# Allegro board Learn.brd (continued)
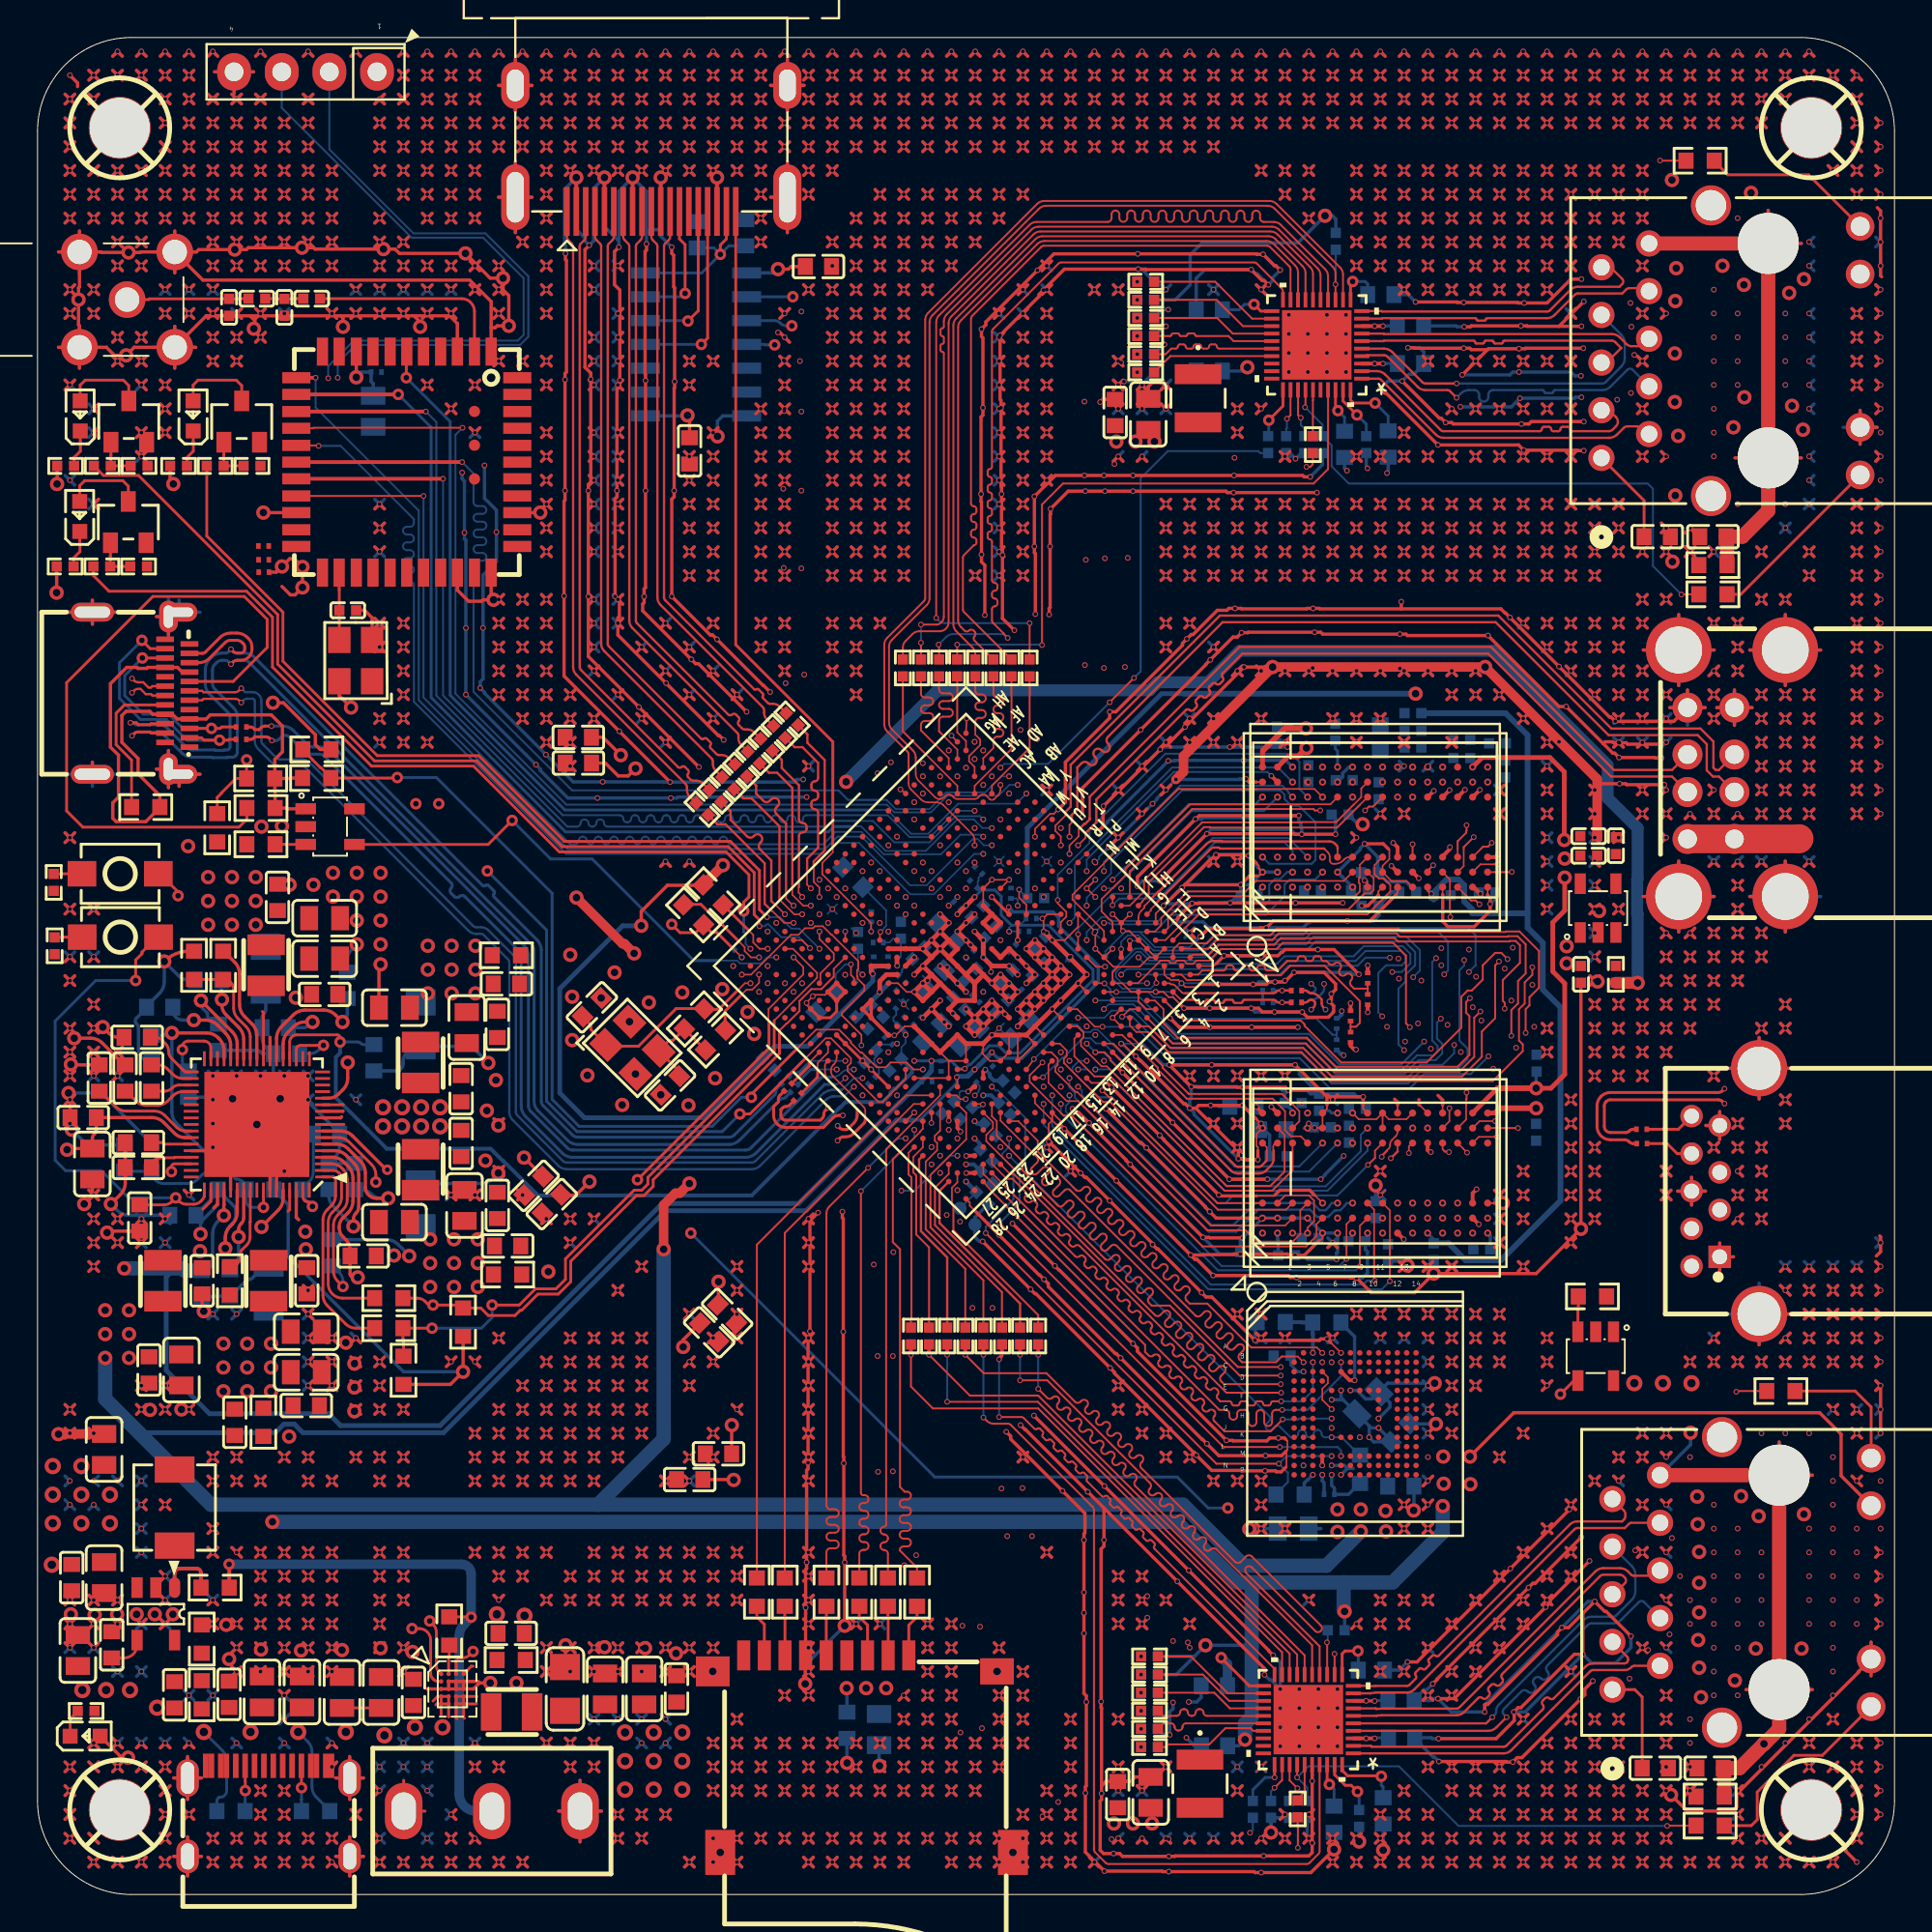
[diagram p0: board, top side]
## Routing (per net, layer and track width the routed paths; a pad name or vN(x,y) marks a point on that pad's centre or on a via; arc(x,y) is an arc through that point) (continued)
85.8,79.45 ; v1(85.54,79.19) 85.8,78.94 ; v1(85.54,79.19) 85.29,79.45 ; v1(85.54,79.19) 85.29,78.94 ; 43.38,87.83 v1(43.63,88.08) ; v1(43.63,88.08) 43.89,87.83 ; v1(43.63,88.08) 43.89,88.34 ; v1(43.63,88.08) 43.38,88.34 ; v1(2.99,46.17) 3.25,45.92 ; v1(2.99,46.17) 2.74,46.43 ; v1(2.99,46.17) 3.25,46.43 ; v1(2.99,46.17) 2.74,45.92 ; 4.01,86.56 v1(4.26,86.81) ; v1(4.26,86.81) 4.52,86.56 ; v1(4.26,86.81) 4.52,87.07 ; v1(4.26,86.81) 4.01,87.07 ; 19.25,16.71 v1(19.5,16.96) ; v1(19.5,16.96) 19.76,16.71 ; v1(19.5,16.96) 19.76,17.22 ; v1(19.5,16.96) 19.25,17.22 ; v1(36.01,28.39) 36.27,28.65 ; v1(36.01,28.39) 35.76,28.14 ; v1(36.01,28.39) 35.76,28.65 ; v1(36.01,28.39) 36.27,28.14 ; v1(25.85,81.73) 26.11,81.99 ; v1(25.85,81.73) 25.6,81.48 ; v1(25.85,81.73) 26.11,81.48 ; v1(25.85,81.73) 25.6,81.99 ; 2.74,33.22 v1(2.99,33.47) ; v1(2.99,33.47) 3.25,33.22 ; v1(2.99,33.47) 2.74,33.73 ; v1(2.99,33.47) 3.25,33.73 ; v1(63.95,77.92) 64.21,78.18 ; v1(63.95,77.92) 63.7,78.18 ; v1(63.95,77.92) 63.7,77.67 ; v1(63.95,77.92) 64.21,77.67 ; v1(8.07,84.27) 8.33,84.02 ; v1(8.07,84.27) 8.33,84.53 ; v1(8.07,84.27) 7.82,84.53 ; v1(8.07,84.27) 7.82,84.02 ; 30.68,12.9 v1(30.93,13.15) ; v1(30.93,13.15) 30.68,13.41 ; v1(30.93,13.15) 31.19,13.41 ; v1(30.93,13.15) 31.19,12.9 ; 63.7,21.79 v1(63.95,22.04) ; v1(63.95,22.04) 64.21,21.79 ; v1(63.95,22.04) 63.7,22.3 ; v1(63.95,22.04) 64.21,22.3 ; v1(62.68,71.57) 62.94,71.83 ; v1(62.68,71.57) 62.94,71.32 ; v1(62.68,71.57) 62.43,71.32 ; v1(62.68,71.57) 62.43,71.83 ; v1(79.19,74.11) 79.45,73.86 ; v1(79.19,74.11) 79.45,74.37 ; v1(79.19,74.11) 78.94,73.86 ; v1(79.19,74.11) 78.94,74.37 ; 51.51,72.59 v1(51.25,72.84) 51.51,73.1 ; 78.94,76.4 v1(79.19,76.65) ; v1(79.19,76.65) 78.94,76.91 ; v1(79.19,76.65) 79.45,76.4 ; v1(79.19,76.65) 79.45,76.91 ; v1(51.25,8.07) 51.51,7.82 ; v1(51.25,8.07) 51.51,8.33 ; v1(51.25,8.07) 51,7.82 ; v1(51.25,8.07) 51,8.33 ; v1(15.69,22.04) 15.95,22.3 ; v1(15.69,22.04) 15.95,21.79 ; v1(15.69,22.04) 15.44,21.79 ; v1(15.69,22.04) 15.44,22.3 ; 83.26,50.24 v1(83,49.98) 83.26,49.73 ; v1(4.26,34.74) 4.52,34.49 ; v1(4.26,34.74) 4.01,34.49 ; v1(4.26,34.74) 4.52,35 ; v1(4.26,34.74) 4.01,35 ; v1(91.89,51.25) 92.15,51 ; v1(91.89,51.25) 91.64,51.51 ; v1(91.89,51.25) 92.15,51.51 ; v1(91.89,51.25) 91.64,51 ; 90.45,62.33 U19.8 ; U19.8 89.51,63.27 ; U19.8 90.45,64.21 ; U19.8 91.39,63.27 ; v1(80.46,27.12) 80.72,27.38 ; v1(80.46,27.12) 80.21,27.38 ; v1(80.46,27.12) 80.21,26.87 ; 26.87,64.97 v1(27.12,65.22) ; v1(27.12,65.22) 27.38,64.97 ; v1(27.12,65.22) 26.87,65.48 ; v1(27.12,65.22) 27.38,65.48 ; v1(60.14,67.76) 60.4,67.51 ; v1(60.14,67.76) 59.89,67.51 ; v1(60.14,67.76) 59.89,68.02 ; v1(60.14,67.76) 60.4,68.02 ; 39.57,3.25 v1(39.82,2.99) ; v1(39.82,2.99) 39.57,2.74 ; v1(39.82,2.99) 40.08,2.74 ; v1(39.82,2.99) 40.08,3.25 ; v1(23.31,95.7) 23.57,95.96 ; v1(23.31,95.7) 23.57,95.45 ; v1(23.31,95.7) 23.06,95.45 ; v1(23.31,95.7) 23.06,95.96 ; v1(4.26,91.89) 4.52,92.15 ; v1(4.26,91.89) 4.01,92.15 ; v1(4.26,91.89) 4.01,91.64 ; v1(4.26,91.89) 4.52,91.64 ; 84.02,94.69 v1(84.27,94.43) ; v1(84.27,94.43) 84.53,94.18 ; v1(84.27,94.43) 84.53,94.69 ; v1(84.27,94.43) 84.02,94.18 ; v1(81.73,18.23) 81.99,17.98 ; v1(81.73,18.23) 81.48,18.49 ; v1(81.73,18.23) 81.99,18.49 ; v1(81.73,18.23) 81.48,17.98 ; v1(42.36,6.8) 42.62,7.06 ; v1(42.36,6.8) 42.11,6.55 ; v1(42.36,6.8) 42.11,7.06 ; v1(42.36,6.8) 42.62,6.55 ; v1(89.35,48.71) 89.61,48.46 ; v1(89.35,48.71) 89.61,48.97 ; v1(89.35,48.71) 89.1,48.97 ; v1(89.35,48.71) 89.1,48.46 ; v1(29.66,94.43) 29.92,94.18 ; v1(29.66,94.43) 29.41,94.18 ; v1(29.66,94.43) 29.41,94.69 ; v1(29.66,94.43) 29.92,94.69 ; 62.43,94.69 v1(62.68,94.43) ; v1(62.68,94.43) 62.43,94.18 ; v1(62.68,94.43) 62.94,94.69 ; v1(62.68,94.43) 62.94,94.18 ; 10.36,84.02 v1(10.61,84.27) ; v1(10.61,84.27) 10.87,84.02 ; v1(10.61,84.27) 10.87,84.53 ; 52.27,95.45 v1(52.52,95.7) ; v1(52.52,95.7) 52.78,95.96 ; v1(52.52,95.7) 52.27,95.96 ; v1(52.52,95.7) 52.78,95.45 ; 2.74,84.02 v1(2.99,84.27) ; v1(2.99,84.27) 2.74,84.53 ; v1(2.99,84.27) 3.25,84.53 ; v1(2.99,84.27) 3.25,84.02 ; v1(47.44,88.08) 47.7,88.34 ; v1(47.44,88.08) 47.19,88.34 ; v1(47.44,88.08) 47.7,87.83 ; v1(47.44,88.08) 47.19,87.83 ; 71.83,29.92 v1(71.57,29.66) 71.32,29.92 ; v1(30.93,28.39) 31.19,28.14 ; v1(30.93,28.39) 30.68,28.14 ; v1(30.93,28.39) 30.68,28.65 ; v1(30.93,28.39) 31.19,28.65 ; 15.44,6.55 v1(15.69,6.8) ; v1(15.69,6.8) 15.95,7.06 ; v1(15.69,6.8) 15.44,7.06 ; v1(66.49,43.63) 66.75,43.89 ; v1(66.49,43.63) 66.24,43.89 ; v1(66.49,43.63) 66.75,43.38 ; v1(66.49,43.63) 66.24,43.38 ; 34.49,31.19 v1(34.74,30.93) ; v1(34.74,30.93) 34.49,30.68 ; v1(34.74,30.93) 35,31.19 ; v1(42.36,95.7) 42.62,95.45 ; v1(42.36,95.7) 42.11,95.45 ; v1(42.36,95.7) 42.11,95.96 ; v1(42.36,95.7) 42.62,95.96 ; v1(89.35,47.44) 89.61,47.7 ; v1(89.35,47.44) 89.1,47.7 ; v1(89.35,47.44) 89.1,47.19 ; v1(89.35,47.44) 89.61,47.19 ; 51,84.02 v1(51.25,84.27) ; v1(51.25,84.27) 51,84.53 ; v1(51.25,84.27) 51.51,84.53 ; v1(42.36,81.73) 42.62,81.48 ; v1(42.36,81.73) 42.11,81.99 ; v1(42.36,81.73) 42.11,81.48 ; v1(42.36,81.73) 42.62,81.99 ; 1.47,91.64 v1(1.72,91.89) ; v1(1.72,91.89) 1.98,92.15 ; v1(1.72,91.89) 1.47,92.15 ; v1(1.72,91.89) 1.98,91.64 ; 22.3,85.8 v1(22.04,85.54) 21.79,85.8 ; 6.55,7.82 v1(6.8,8.07) 7.06,7.82 ; 68.78,70.05 v1(69.03,70.3) ; v1(69.03,70.3) 69.29,70.05 ; v1(69.03,70.3) 69.29,70.56 ; v1(69.03,70.3) 68.78,70.56 ; v1(27.12,76.65) 27.38,76.91 ; v1(27.12,76.65) 26.87,76.4 ; v1(27.12,76.65) 27.38,76.4 ; v1(27.12,76.65) 26.87,76.91 ; v1(15.69,27.12) 15.95,27.38 ; v1(15.69,27.12) 15.44,27.38 ; v1(15.69,27.12) 15.95,26.87 ; v1(15.69,27.12) 15.44,26.87 ; v1(1.72,4.26) 1.98,4.52 ; v1(1.72,4.26) 1.47,4.52 ; v1(1.72,4.26) 1.47,4.01 ; v1(1.72,4.26) 1.98,4.01 ; v1(33.72,59.3) v1(31.01,62) 28.07,64.95 v1(28.07,69.22) 28.07,74.27 28.12,74.32 v1(28.12,74.83) v1(28.12,80.75) 28.12,81.07 28.19,81.15 28.19,87.1 28.14,87.15 v1(28.14,87.48) ; v1(18.23,62.68) 18.49,62.94 ; v1(18.23,62.68) 18.49,62.43 ; v1(18.23,62.68) 17.98,62.43 ; v1(18.23,62.68) 17.98,62.94 ; 40.84,92.15 v1(41.09,91.89) ; v1(41.09,91.89) 41.35,91.64 ; v1(41.09,91.89) 40.84,91.64 ; v1(41.09,91.89) 41.35,92.15 ; 25.6,68.02 v1(25.85,67.76) ; v1(25.85,67.76) 26.11,67.51 ; v1(25.85,67.76) 26.11,68.02 ; v1(25.85,67.76) 25.6,67.51 ; v1(75.38,30.93) 75.64,31.19 ; v1(75.38,30.93) 75.13,31.19 ; v1(75.38,30.93) 75.64,30.68 ; v1(75.38,30.93) 75.13,30.68 ; 85.29,69.29 v1(85.54,69.03) ; v1(85.54,69.03) 85.8,69.29 ; v1(85.54,69.03) 85.8,68.78 ; v1(85.54,69.03) 85.29,68.78 ; 70.05,2.74 v1(70.3,2.99) ; v1(70.3,2.99) 70.56,3.25 ; v1(70.3,2.99) 70.56,2.74 ; v1(70.3,2.99) 70.05,3.25 ; v1(57.6,9.34) 57.86,9.6 ; v1(57.6,9.34) 57.35,9.09 ; v1(57.6,9.34) 57.35,9.6 ; v1(57.6,9.34) 57.86,9.09 ; v1(85.54,67.76) 85.8,67.51 ; v1(85.54,67.76) 85.8,68.02 ; v1(85.54,67.76) 85.29,68.02 ; v1(85.54,67.76) 85.29,67.51 ; 28.14,26.87 v1(28.39,27.12) ; v1(28.39,27.12) 28.65,26.87 ; v1(28.39,27.12) 28.65,27.38 ; v1(28.39,27.12) 28.14,27.38 ; 51.51,71.83 v1(51.25,71.57) 51.51,71.32 ; v1(81.73,6.8) 81.99,6.55 ; v1(81.73,6.8) 81.48,7.06 ; v1(81.73,6.8) 81.48,6.55 ; v1(81.73,6.8) 81.99,7.06 ; U3.C2 U3.C3 ; U3.C2 U3.B2 U3.B3 ; U3.C2 U3.C1 20.79,10.96 20.78,10.95 ; U3.C3 U3.B3 ; 29.41,67.51 v1(29.66,67.76) 29.41,68.02 ; v1(81.73,86.81) 81.99,86.56 ; v1(81.73,86.81) 81.48,87.07 ; v1(81.73,86.81) 81.48,86.56 ; v1(81.73,86.81) 81.99,87.07 ; v1(74.11,1.72) 74.37,1.47 ; v1(74.11,1.72) 73.86,1.47 ; v1(74.11,1.72) 73.86,1.98 ; v1(74.11,1.72) 74.37,1.98 ; 48.46,2.74 v1(48.71,2.99) ; v1(48.71,2.99) 48.97,3.25 ; v1(48.71,2.99) 48.46,3.25 ; v1(48.71,2.99) 48.97,2.74 ; 92.91,2.74 v1(93.16,2.99) ; v1(93.16,2.99) 92.91,3.25 ; v1(93.16,2.99) 93.42,2.74 ; 87.83,47.7 v1(88.08,47.44) ; v1(88.08,47.44) 88.34,47.19 ; v1(88.08,47.44) 87.83,47.19 ; v1(88.08,47.44) 88.34,47.7 ; v1(37.28,96.97) 37.54,96.72 ; v1(37.28,96.97) 37.54,97.23 ; v1(37.28,96.97) 37.03,97.23 ; v1(37.28,96.97) 37.03,96.72 ; 72.59,15.95 v1(72.84,15.69) ; v1(72.84,15.69) 73.1,15.95 ; v1(72.84,15.69) 73.1,15.44 ; v1(72.84,15.69) 72.59,15.44 ; 86.56,94.18 v1(86.81,94.43) ; v1(86.81,94.43) 87.07,94.18 ; v1(86.81,94.43) 86.56,94.69 ; v1(86.81,94.43) 87.07,94.69 ; 96.72,29.41 v1(96.97,29.66) ; v1(96.97,29.66) 97.23,29.41 ; v1(96.97,29.66) 96.72,29.92 ; v1(96.97,29.66) 97.23,29.92 ; 58.62,95.45 v1(58.87,95.7) ; v1(58.87,95.7) 59.13,95.45 ; v1(58.87,95.7) 58.62,95.96 ; v1(58.87,95.7) 59.13,95.96 ; 47.19,92.91 v1(47.44,93.16) ; v1(47.44,93.16) 47.19,93.42 ; v1(47.44,93.16) 47.7,92.91 ; v1(47.44,93.16) 47.7,93.42 ; 52.27,70.56 v1(52.52,70.3) ; v1(52.52,70.3) 52.27,70.05 ; v1(52.52,70.3) 52.78,70.05 ; v1(52.52,70.3) 52.78,70.56 ; 29.41,22.3 v1(29.66,22.04) ; v1(29.66,22.04) 29.41,21.79 ; v1(29.66,22.04) 29.92,21.79 ; v1(29.66,22.04) 29.92,22.3 ; v1(28.39,6.8) 28.65,7.06 ; v1(28.39,6.8) 28.65,6.55 ; v1(28.39,6.8) 28.14,7.06 ; v1(28.39,6.8) 28.14,6.55 ; v1(80.46,66.49) 80.72,66.24 ; v1(80.46,66.49) 80.72,66.75 ; v1(80.46,66.49) 80.21,66.75 ; v1(63.95,41.09) 64.21,41.35 ; v1(63.95,41.09) 64.21,40.84 ; v1(63.95,41.09) 63.7,40.84 ; v1(63.95,41.09) 63.7,41.35 ; v1(72.84,90.62) 73.1,90.88 ; v1(72.84,90.62) 72.59,90.37 ; v1(72.84,90.62) 73.1,90.37 ; v1(72.84,90.62) 72.59,90.88 ; 19.25,95.96 v1(19.5,95.7) ; v1(19.5,95.7) 19.25,95.45 ; v1(19.5,95.7) 19.76,95.45 ; v1(19.5,95.7) 19.76,95.96 ; 85.29,94.18 v1(85.54,94.43) ; v1(85.54,94.43) 85.29,94.69 ; v1(85.54,94.43) 85.8,94.18 ; v1(85.54,94.43) 85.8,94.69 ; v1(51.64,24.66) 51.87,24.43 51.87,24.28 v1(54.64,21.51) 55.83,20.32 55.83,19.28 55.78,19.23 v1(55.78,18.9) v1(55.78,16.1) v1(55.78,15.01) v1(55.78,13.92) 55.78,10.72 55.91,10.59 v1(55.91,10.26) 55.91,5.79 55.85,5.74 v1(55.85,5.41) 55.85,2.26 v1(56.87,1.24) 59.95,1.24 59.97,1.22 v1(60.3,1.22) 64.85,1.22 64.9,1.17 v1(65.23,1.17) 67.88,1.17 v3(69.11,2.4) ; v1(77.92,95.7) 78.18,95.96 ; v1(77.92,95.7) 77.67,95.45 ; v1(77.92,95.7) 78.18,95.45 ; v1(77.92,95.7) 77.67,95.96 ; 43.38,85.8 v1(43.63,85.54) ; v1(43.63,85.54) 43.89,85.29 ; v1(43.63,85.54) 43.89,85.8 ; v1(43.63,85.54) 43.38,85.29 ; 43.38,76.91 v1(43.63,76.65) ; v1(43.63,76.65) 43.89,76.91 ; v1(43.63,76.65) 43.89,76.4 ; v1(43.63,76.65) 43.38,76.4 ; 61.16,73.86 v1(61.41,74.11) ; v1(61.41,74.11) 61.67,73.86 ; v1(61.41,74.11) 61.67,74.37 ; v1(61.41,74.11) 61.16,74.37 ; 73.86,86.56 v1(74.11,86.81) ; v1(74.11,86.81) 74.37,87.07 ; v1(74.11,86.81) 73.86,87.07 ; v1(74.11,86.81) 74.37,86.56 ; v1(56.33,95.7) 56.59,95.96 ; v1(56.33,95.7) 56.08,95.96 ; v1(56.33,95.7) 56.59,95.45 ; v1(56.33,95.7) 56.08,95.45 ; 25.6,23.57 v1(25.85,23.31) ; v1(25.85,23.31) 26.11,23.57 ; v1(25.85,23.31) 25.6,23.06 ; v1(25.85,23.31) 26.11,23.06 ; 91.64,3.25 v1(91.89,2.99) ; v1(91.89,2.99) 91.64,2.74 ; v1(91.89,2.99) 92.15,3.25 ; v1(91.89,2.99) 92.15,2.74 ; 70.05,74.37 v1(70.3,74.11) ; v1(70.3,74.11) 70.56,74.37 ; v1(70.3,74.11) 70.05,73.86 ; v1(70.3,74.11) 70.56,73.86 ; v1(67.76,72.84) 68.02,73.1 ; v1(67.76,72.84) 67.51,72.59 ; v1(67.76,72.84) 67.51,73.1 ; v1(67.76,72.84) 68.02,72.59 ; v1(39.82,76.65) 40.08,76.91 ; v1(39.82,76.65) 39.57,76.4 ; v1(39.82,76.65) 39.57,76.91 ; v1(39.82,76.65) 40.08,76.4 ; v1(83,22.04) 83.26,21.79 ; v1(83,22.04) 82.75,21.79 ; v1(83,22.04) 82.75,22.3 ; v1(83,22.04) 83.26,22.3 ; 11.63,91.64 v1(11.88,91.89) ; v1(11.88,91.89) 12.14,91.64 ; v1(11.88,91.89) 11.63,92.15 ; v1(11.88,91.89) 12.14,92.15 ; 19.25,91.64 v1(19.5,91.89) ; v1(19.5,91.89) 19.76,91.64 ; v1(19.5,91.89) 19.76,92.15 ; v1(19.5,91.89) 19.25,92.15 ; 1.47,24.33 v1(1.72,24.58) ; v1(1.72,24.58) 1.98,24.84 ; v1(1.72,24.58) 1.98,24.33 ; v1(1.72,24.58) 1.47,24.84 ; v1(33.47,16.96) 33.73,16.71 ; v1(33.47,16.96) 33.73,17.22 ; v1(33.47,16.96) 33.22,17.22 ; v1(33.47,16.96) 33.22,16.71 ; 31.95,3.25 v1(32.2,2.99) ; v1(32.2,2.99) 32.46,3.25 ; v1(32.2,2.99) 31.95,2.74 ; v1(32.2,2.99) 32.46,2.74 ; 16.71,23.06 v1(16.96,23.31) ; v1(16.96,23.31) 17.22,23.57 ; v1(16.96,23.31) 17.22,23.06 ; v1(16.96,23.31) 16.71,23.57 ; 97.99,58.62 v1(98.24,58.87) 97.99,59.13 ; 74.37,26.11 v1(74.11,25.85) 74.37,25.6 ; 78.94,38.3 v1(79.19,38.55) ; v1(79.19,38.55) 79.45,38.81 ; v1(79.19,38.55) 79.45,38.3 ; v1(79.19,38.55) 78.94,38.81 ; 42.11,83.26 v1(42.36,83) ; v1(42.36,83) 42.11,82.75 ; v1(42.36,83) 42.62,82.75 ; v1(42.36,83) 42.62,83.26 ; 1.47,15.95 v1(1.72,15.69) ; v1(1.72,15.69) 1.98,15.44 ; v1(1.72,15.69) 1.98,15.95 ; v1(1.72,15.69) 1.47,15.44 ; v1(89.35,43.63) 89.61,43.38 ; v1(89.35,43.63) 89.1,43.38 ; v1(89.35,43.63) 89.1,43.89 ; v1(89.35,43.63) 89.61,43.89 ; v1(33.47,91.89) 33.73,91.64 ; v1(33.47,91.89) 33.73,92.15 ; v1(33.47,91.89) 33.22,92.15 ; v1(33.47,91.89) 33.22,91.64 ; v1(53.79,5.53) 54.05,5.79 ; v1(53.79,5.53) 53.54,5.28 ; v1(53.79,5.53) 54.05,5.28 ; v1(53.79,5.53) 53.54,5.79 ; v1(70.3,71.57) 70.56,71.32 ; v1(70.3,71.57) 70.05,71.32 ; v1(70.3,71.57) 70.05,71.83 ; v1(70.3,71.57) 70.56,71.83 ; 46.43,97.99 v1(46.17,98.24) 45.92,97.99 ; 82.75,43.38 v1(83,43.63) ; v1(83,43.63) 83.26,43.89 ; v1(83,43.63) 83.26,43.38 ; v1(83,43.63) 82.75,43.89 ; 4.01,97.99 v1(4.26,98.24) 4.52,97.99 ; v1(60.14,96.97) 60.4,97.23 ; v1(60.14,96.97) 60.4,96.72 ; v1(60.14,96.97) 59.89,96.72 ; v1(60.14,96.97) 59.89,97.23 ; 9.09,95.96 v1(9.34,95.7) ; v1(9.34,95.7) 9.6,95.45 ; v1(9.34,95.7) 9.6,95.96 ; v1(9.34,95.7) 9.09,95.45 ; 71.32,12.14 v1(71.57,11.88) ; v1(71.57,11.88) 71.32,11.63 ; v1(71.57,11.88) 71.83,11.63 ; v1(71.57,11.88) 71.83,12.14 ; v1(81.73,34.74) 81.99,35 ; v1(81.73,34.74) 81.99,34.49 ; v1(81.73,34.74) 81.48,35 ; v1(81.73,34.74) 81.48,34.49 ; 26.87,68.02 v1(27.12,67.76) ; v1(27.12,67.76) 27.38,67.51 ; v1(27.12,67.76) 27.38,68.02 ; v1(27.12,67.76) 26.87,67.51 ; 84.02,46.43 v1(84.27,46.17) ; v1(84.27,46.17) 84.02,45.92 ; v1(84.27,46.17) 84.53,46.43 ; v1(84.27,46.17) 84.53,45.92 ; v1(62.68,43.63) 62.94,43.89 ; v1(62.68,43.63) 62.43,43.89 ; v1(62.68,43.63) 62.94,43.38 ; v1(62.68,43.63) 62.43,43.38 ; v1(36.01,67.76) 36.27,67.51 ; v1(36.01,67.76) 35.76,68.02 ; v1(36.01,67.76) 35.76,67.51 ; v1(36.01,67.76) 36.27,68.02 ; v1(19.5,93.16) 19.76,93.42 ; v1(19.5,93.16) 19.25,93.42 ; v1(19.5,93.16) 19.25,92.91 ; v1(19.5,93.16) 19.76,92.91 ; v1(91.89,38.55) 92.15,38.81 ; v1(91.89,38.55) 92.15,38.3 ; v1(91.89,38.55) 91.64,38.3 ; v1(91.89,38.55) 91.64,38.81 ; 43.38,5.28 v1(43.63,5.53) ; v1(43.63,5.53) 43.89,5.79 ; v1(43.63,5.53) 43.38,5.79 ; v1(43.63,5.53) 43.89,5.28 ; 85.29,65.48 v1(85.54,65.22) ; v1(85.54,65.22) 85.29,64.97 ; v1(85.54,65.22) 85.8,64.97 ; v1(85.54,65.22) 85.8,65.48 ; v1(36.01,91.89) 36.27,92.15 ; v1(36.01,91.89) 35.76,91.64 ; v1(36.01,91.89) 36.27,91.64 ; v1(36.01,91.89) 35.76,92.15 ; 37.03,9.6 v1(37.28,9.34) ; v1(37.28,9.34) 37.54,9.09 ; v1(37.28,9.34) 37.03,9.09 ; v1(37.28,9.34) 37.54,9.6 ; v1(86.81,37.28) 87.07,37.54 ; v1(86.81,37.28) 87.07,37.03 ; v1(86.81,37.28) 86.56,37.54 ; v1(86.81,37.28) 86.56,37.03 ; v1(20.77,90.62) 21.03,90.37 ; v1(20.77,90.62) 20.52,90.37 ; v1(20.77,90.62) 21.03,90.88 ; v1(20.77,90.62) 20.52,90.88 ; v1(62.68,22.04) 62.94,21.79 ; v1(62.68,22.04) 62.43,21.79 ; v1(62.68,22.04) 62.94,22.3 ; v1(62.68,22.04) 62.43,22.3 ; 39.08,96.43 J1.23 ; J1.23 40.86,96.43 ; J1.23 39.97,95.04 ; J1.23 39.97,97.82 ; 80.21,58.62 v1(80.46,58.87) ; v1(80.46,58.87) 80.72,59.13 ; v1(80.46,58.87) 80.72,58.62 ; v1(80.46,58.87) 80.21,59.13 ; 62.43,66.24 v1(62.68,66.49) ; v1(62.68,66.49) 62.94,66.24 ; v1(62.68,66.49) 62.94,66.75 ; 72.59,92.15 v1(72.84,91.89) ; v1(72.84,91.89) 73.1,92.15 ; v1(72.84,91.89) 72.59,91.64 ; v1(72.84,91.89) 73.1,91.64 ; v1(60.14,61.41) 60.4,61.67 ; v1(60.14,61.41) 60.4,61.16 ; v1(60.14,61.41) 59.89,61.16 ; v1(79.19,89.35) 79.45,89.1 ; v1(79.19,89.35) 78.94,89.1 ; v1(79.19,89.35) 79.45,89.61 ; v1(79.19,89.35) 78.94,89.61 ; 34.49,15.95 v1(34.74,15.69) ; v1(34.74,15.69) 34.49,15.44 ; v1(34.74,15.69) 35,15.44 ; v1(34.74,15.69) 35,15.95 ; 71.32,2.74 v1(71.57,2.99) ; v1(71.57,2.99) 71.32,3.25 ; v1(71.57,2.99) 71.83,3.25 ; v1(71.57,2.99) 71.83,2.74 ; 96.72,28.14 v1(96.97,28.39) ; v1(96.97,28.39) 97.23,28.14 ; v1(96.97,28.39) 96.72,28.65 ; v1(96.97,28.39) 97.23,28.65 ; v1(90.62,48.71) 90.88,48.97 ; v1(90.62,48.71) 90.37,48.46 ; v1(90.62,48.71) 90.37,48.97 ; v1(90.62,48.71) 90.88,48.46 ; v1(80.46,90.62) 80.72,90.37 ; v1(80.46,90.62) 80.21,90.88 ; v1(80.46,90.62) 80.21,90.37 ; v1(80.46,90.62) 80.72,90.88 ; v1(83,58.87) 83.26,59.13 ; v1(83,58.87) 83.26,58.62 ; v1(83,58.87) 82.75,59.13 ; v1(83,58.87) 82.75,58.62 ; 71.32,65.48 v1(71.57,65.22) ; v1(71.57,65.22) 71.83,65.48 ; v1(71.57,65.22) 71.83,64.97 ; v1(71.57,65.22) 71.32,64.97 ; 38.3,94.18 v1(38.55,94.43) ; v1(38.55,94.43) 38.3,94.69 ; v1(38.55,94.43) 38.81,94.18 ; v1(38.55,94.43) 38.81,94.69 ; 43.38,80.21 v1(43.63,80.46) ; v1(43.63,80.46) 43.89,80.72 ; v1(43.63,80.46) 43.38,80.72 ; v1(43.63,80.46) 43.89,80.21 ; 39.57,68.02 v1(39.82,67.76) ; v1(39.82,67.76) 40.08,68.02 ; v1(39.82,67.76) 39.57,67.51 ; v1(39.82,67.76) 40.08,67.51 ; 28.14,91.64 v1(28.39,91.89) ; v1(28.39,91.89) 28.65,92.15 ; v1(28.39,91.89) 28.14,92.15 ; v1(28.39,91.89) 28.65,91.64 ; 14.17,92.91 v1(14.42,93.16) ; v1(14.42,93.16) 14.17,93.42 ; v1(14.42,93.16) 14.68,93.42 ; v1(14.42,93.16) 14.68,92.91 ; 45.92,9.6 v1(46.17,9.34) ; v1(46.17,9.34) 45.92,9.09 ; v1(46.17,9.34) 46.43,9.6 ; v1(46.17,9.34) 46.43,9.09 ; v1(25.85,63.95) 26.11,63.7 ; v1(25.85,63.95) 25.6,64.21 ; v1(25.85,63.95) 26.11,64.21 ; v1(25.85,63.95) 25.6,63.7 ; 64.97,79.45 v1(65.22,79.19) ; v1(65.22,79.19) 65.48,79.45 ; v1(65.22,79.19) 64.97,78.94 ; v1(30.93,93.16) 31.19,92.91 ; v1(30.93,93.16) 30.68,92.91 ; v1(30.93,93.16) 31.19,93.42 ; v1(30.93,93.16) 30.68,93.42 ; 28.14,95.45 v1(28.39,95.7) ; v1(28.39,95.7) 28.65,95.45 ; v1(28.39,95.7) 28.65,95.96 ; v1(28.39,95.7) 28.14,95.96 ; 17.98,25.6 v1(18.23,25.85) ; v1(18.23,25.85) 18.49,26.11 ; v1(18.23,25.85) 18.49,25.6 ; v1(18.23,25.85) 17.98,26.11 ; v1(84.27,74.11) 84.53,73.86 ; v1(84.27,74.11) 84.02,74.37 ; v1(84.27,74.11) 84.53,74.37 ; v1(84.27,74.11) 84.02,73.86 ; v1(6.8,1.72) 7.06,1.47 ; v1(6.8,1.72) 6.55,1.98 ; v1(6.8,1.72) 6.55,1.47 ; v1(6.8,1.72) 7.06,1.98 ; 4.01,15.95 v1(4.26,15.69) ; v1(4.26,15.69) 4.52,15.44 ; v1(4.26,15.69) 4.01,15.44 ; v1(4.26,15.69) 4.52,15.95 ; v1(51.25,2.99) 51.51,3.25 ; v1(51.25,2.99) 51,3.25 ; v1(51.25,2.99) 51.51,2.74 ; v1(51.25,2.99) 51,2.74 ; 57.35,58.62 v1(57.6,58.87) ; v1(57.6,58.87) 57.86,58.62 ; v1(57.6,58.87) 57.86,59.13 ; 89.1,1.98 v1(89.35,1.72) ; v1(89.35,1.72) 89.1,1.47 ; v1(89.35,1.72) 89.61,1.98 ; v1(89.35,1.72) 89.61,1.47 ; v1(65.22,95.7) 65.48,95.45 ; v1(65.22,95.7) 65.48,95.96 ; v1(65.22,95.7) 64.97,95.96 ; v1(65.22,95.7) 64.97,95.45 ; v1(27.12,71.57) 27.38,71.83 ; v1(27.12,71.57) 26.87,71.83 ; v1(27.12,71.57) 26.87,71.32 ; v1(27.12,71.57) 27.38,71.32 ; U4.56 10.29,39.65 ; 10.29,39.65 U4.47 ; 10.29,39.65 v3(11.69,41.05) 12.37,40.37 12.37,39.65 12.39,39.63 ; v1(63.95,55.06) 64.21,54.81 ; v1(63.95,55.06) 63.7,55.32 ; v1(63.95,55.06) 64.21,55.32 ; v1(63.95,55.06) 63.7,54.81 ; 96.72,64.21 v1(96.97,63.95) ; v1(96.97,63.95) 97.23,64.21 ; v1(96.97,63.95) 96.72,63.7 ; v1(96.97,63.95) 97.23,63.7 ; v1(13.15,13.15) 13.41,12.9 ; v1(13.15,13.15) 12.9,12.9 ; v1(13.15,13.15) 12.9,13.41 ; v1(13.15,13.15) 13.41,13.41 ; v1(57.6,81.73) 57.86,81.48 ; v1(57.6,81.73) 57.86,81.99 ; v1(57.6,81.73) 57.35,81.48 ; v1(57.6,81.73) 57.35,81.99 ; 11.63,84.53 v1(11.88,84.27) ; v1(11.88,84.27) 11.63,84.02 ; v1(11.88,84.27) 12.14,84.53 ; v1(11.88,84.27) 12.14,84.02 ; v1(34.74,27.12) 35,27.38 ; v1(34.74,27.12) 34.49,26.87 ; v1(34.74,27.12) 34.49,27.38 ; v1(34.74,27.12) 35,26.87 ; v1(96.97,84.27) 97.23,84.53 ; v1(96.97,84.27) 97.23,84.02 ; v1(96.97,84.27) 96.72,84.02 ; v1(96.97,84.27) 96.72,84.53 ; v1(46.17,72.84) 46.43,73.1 ; v1(46.17,72.84) 45.92,72.59 ; v1(46.17,72.84) 46.43,72.59 ; v1(46.17,72.84) 45.92,73.1 ; 52.27,93.42 v1(52.52,93.16) ; v1(52.52,93.16) 52.27,92.91 ; v1(52.52,93.16) 52.78,92.91 ; v1(52.52,93.16) 52.78,93.42 ; 20.52,87.07 v1(20.77,86.81) ; v1(20.77,86.81) 20.52,86.56 ; v1(20.77,86.81) 21.03,87.07 ; v1(20.77,86.81) 21.03,86.56 ; 92.91,64.21 v1(93.16,63.95) ; v1(93.16,63.95) 92.91,63.7 ; v1(93.16,63.95) 93.42,63.7 ; v1(93.16,63.95) 93.42,64.21 ; 19.25,26.11 v1(19.5,25.85) ; v1(19.5,25.85) 19.76,25.6 ; v1(19.5,25.85) 19.76,26.11 ; v1(19.5,25.85) 19.25,25.6 ; 68.78,65.48 v1(69.03,65.22) ; v1(69.03,65.22) 69.29,64.97 